# Altium PCB lora_gw_som_pcb.PcbDoc (part 2 of 3)
Units mm, origin at the board's own origin, x right, y up, seen from the top; angles counter-clockwise.
Board outline 30 x 50.95 mm, 6 copper layers (Top, GND-1, Signal-1, Signal-2, GND-2, Bottom), stack 0.926 mm thick; 205 components, 139 nets, 657 pads, 558 vias.
Unrouted connection lines stored in the file: 164.
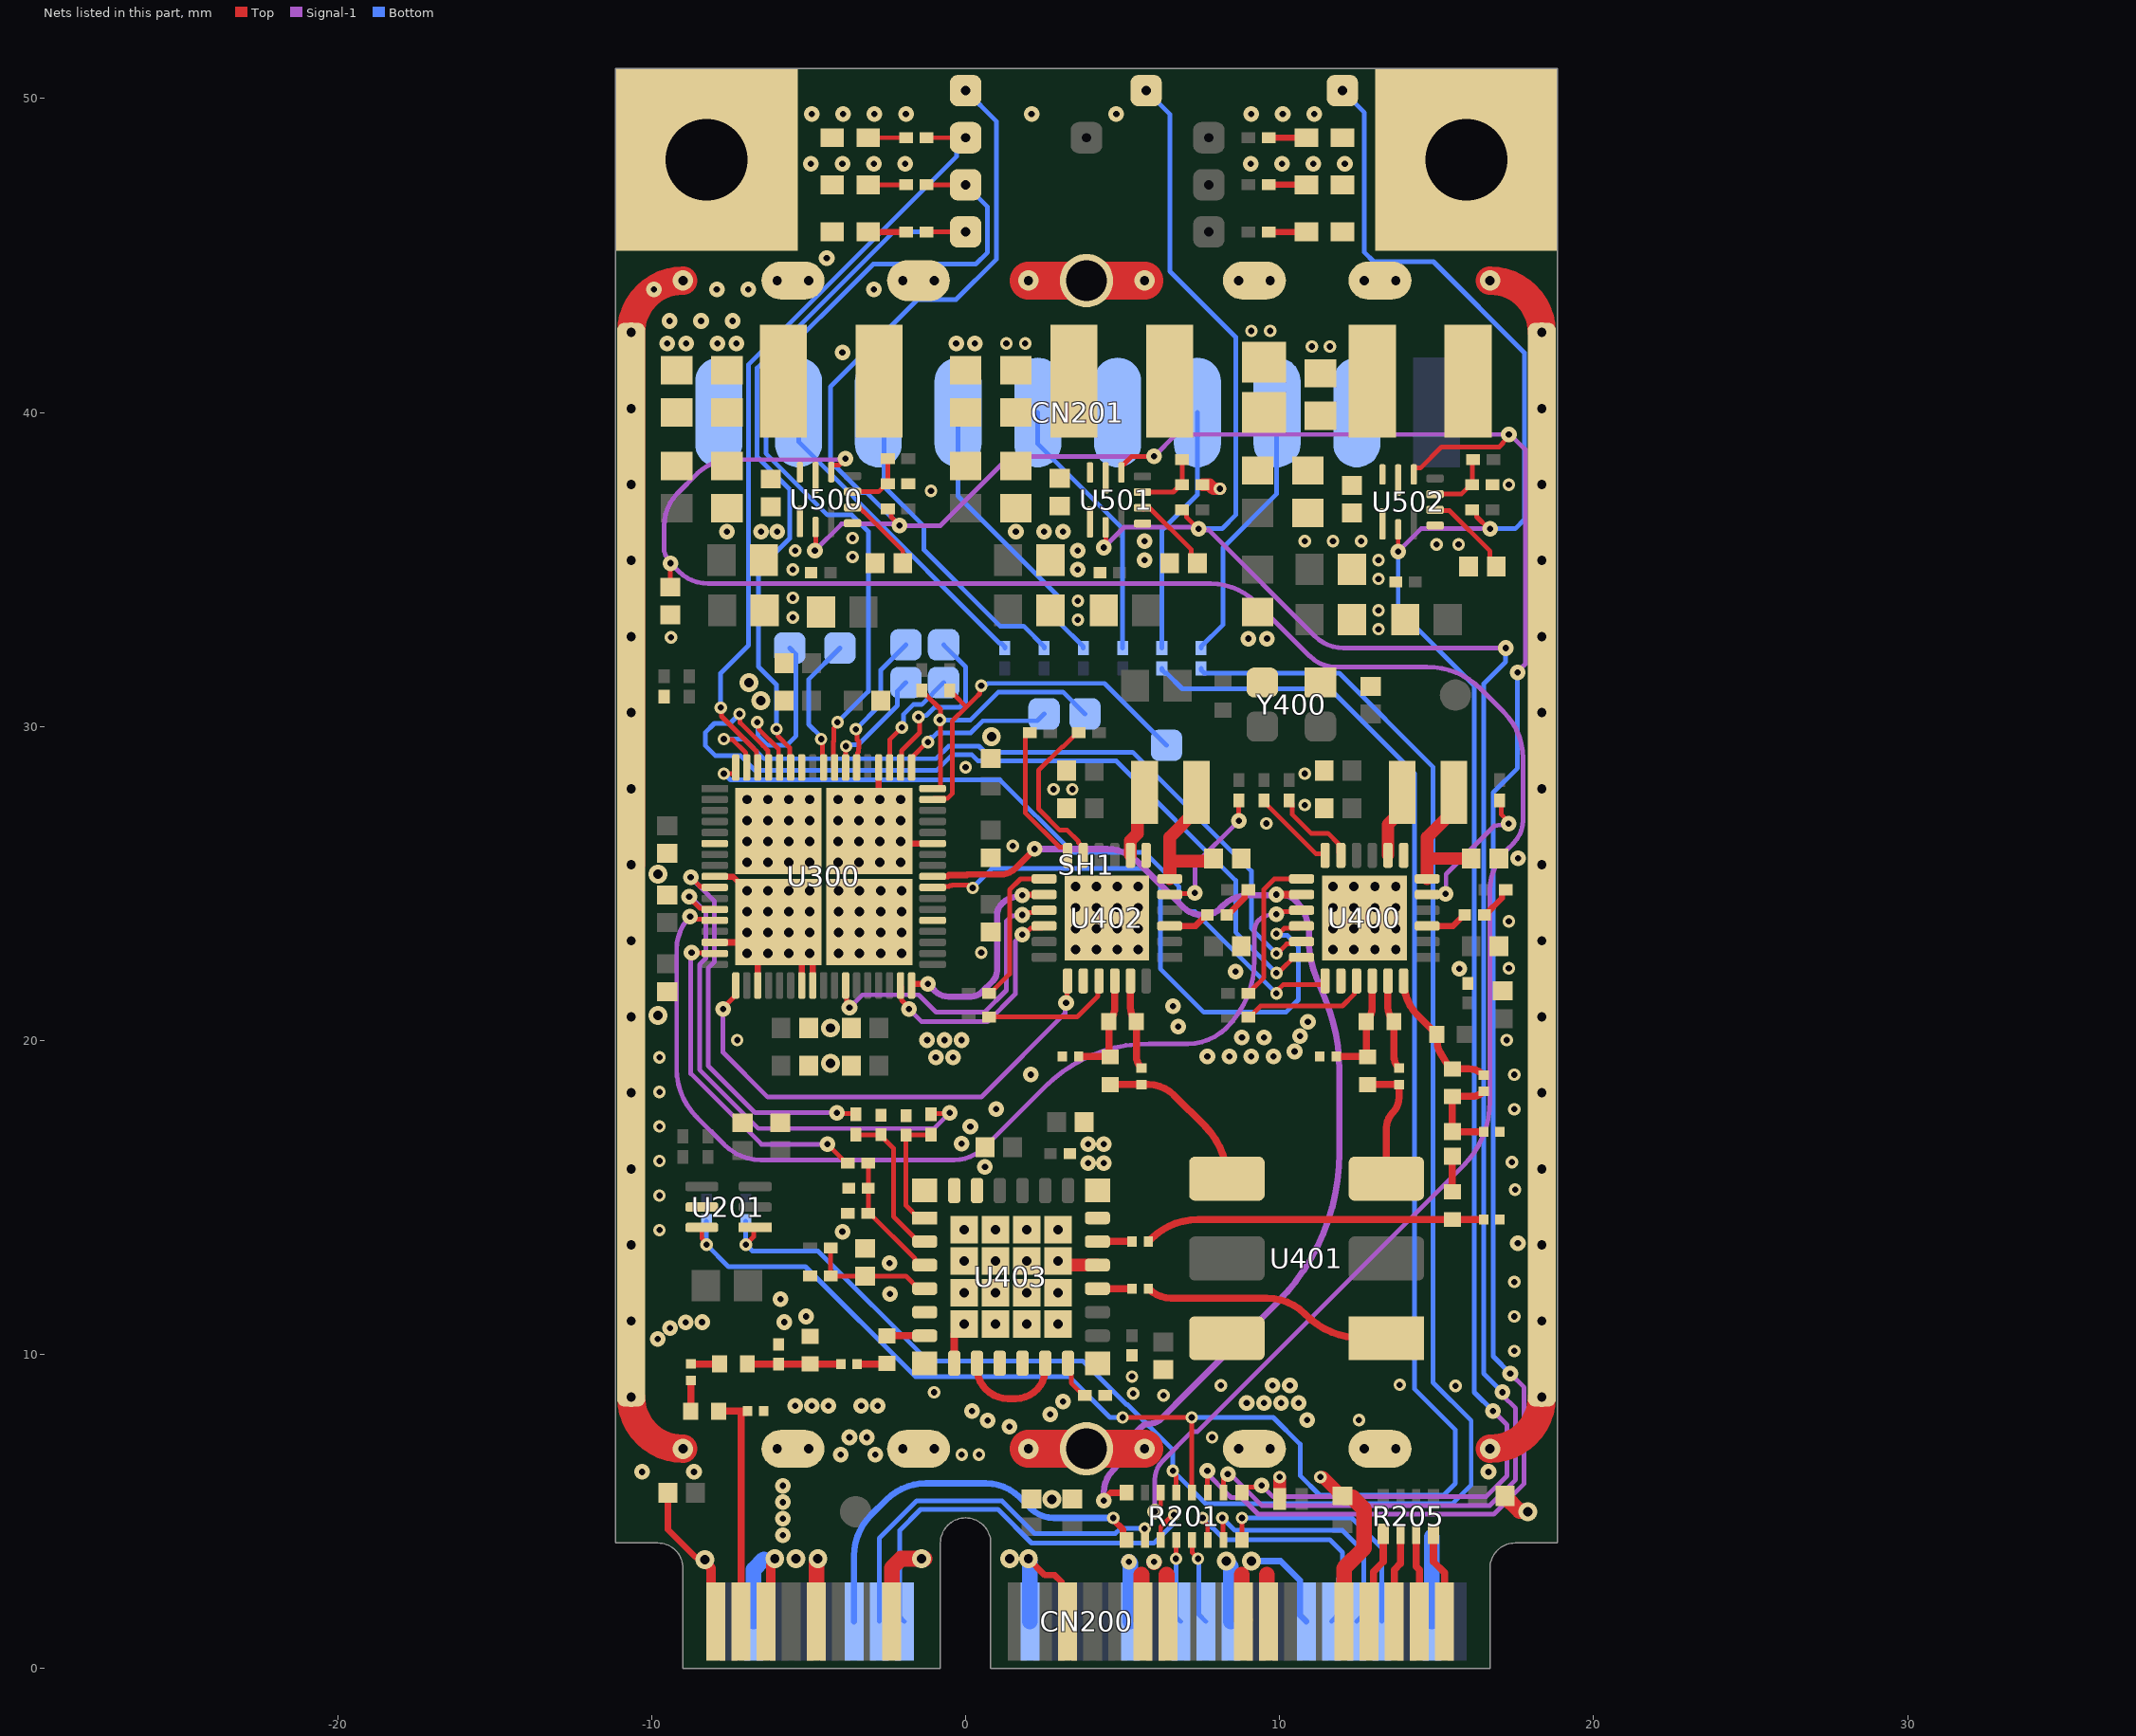
[diagram p6: the nets of this part, all layers, seen from the top]

## Part data (continued)
L404 L408: library part VLS252010CX-150M-1, "FIXED IND 15UH 560MA 914MOHM SMD", Current - Saturation=560mA, Current Rating (Amps)="560 mA", DC Resistance (DCR)="914mOhm Max", Device Package=Nonstandard, Inductance Frequency - Test="1 MHz", manufacturer="TDK Corporation", Operating Temperature="-40°C ~ 105°C", Supplier Device Package=2520, Supplier Part Number 1=445-172968-1-ND, Tolerance=±20%, ComponentLink1Description=Datasheet, ComponentLink1URL=https://product.tdk.com/info/en/catalog/datasheets/inductor_commercial_power_vls252010cx-1_en.pdf?ref_disty=digikey, componentlink2description="DigiKey Link", componentlink2url=https://www.digikey.com/en/products/detail/tdk-corporation/VLS252010CX-150M-1/5169773, Height - Seated (Max)="0.039\" (1.00mm)", Inductance="15 µH", lastupdated="03/06/2024 20:17:12", Lifecycle Status=Active, Material - Core=Ferrite, Minimum Order=1, Mounting Type="Surface Mount", Package / Case=Nonstandard, packaging=TapeAndReel, Part Number=VLS252010CX-150M-1, Part Status=Active, partid=3352, price=0.14, series=VLS-CX-1, Shielding=Shielded, Size / Dimension="0.098\" L x 0.079\" W (2.50mm x 2.00mm)", Supplier 1=DigiKey, Type="Drum Core, Wirewound"
L405 L409: library part LQW15AN82NG00D, "FIXED IND 82NH 130MA 2.24OHM SMD", Current Rating (Amps)="130 mA", DC Resistance (DCR)="2.24Ohm Max", Device Package="0402 (1005 Metric)", Frequency - Self Resonant=2.3GHz, Inductance Frequency - Test="100 MHz", manufacturer="Murata Electronics", Operating Temperature="-55°C ~ 125°C", Q @ Freq="20 @ 150MHz", Supplier Part Number 1=490-6848-1-ND, Tolerance=±2%, ComponentLink1Description=Datasheet, ComponentLink1URL=https://search.murata.co.jp/Ceramy/image/img/P02/JELF243A-0050.pdf, componentlink2description="DigiKey Link", componentlink2url=https://www.digikey.com/en/products/detail/murata-electronics/LQW15AN82NG00D/2594960, Height - Seated (Max)="0.024\" (0.60mm)", Inductance="82 nH", lastupdated="03/06/2024 20:03:20", Lifecycle Status=Active, Material - Core=Non-Magnetic, Minimum Order=1, Mounting Type="Surface Mount", Package / Case="0402 (1005 Metric)", packaging=TapeAndReel, Part Number=LQW15AN82NG00D, Part Status=Active, partid=489, price=0.05, series=LQW15, Shielding=Unshielded, Size / Dimension="0.039\" L x 0.020\" W (1.00mm x 0.50mm)", Supplier 1=DigiKey, Type="Drum Core, Wirewound"
L410 L411: library part LQW15ANR10J00D, "FIXED IND 100NH 120MA 2.52OHM SM", Current Rating (Amps)="120 mA", DC Resistance (DCR)="2.52Ohm Max", Device Package="0402 (1005 Metric)", Frequency - Self Resonant=1.5GHz, Inductance Frequency - Test="100 MHz", manufacturer="Murata Electronics", Operating Temperature="-55°C ~ 125°C", Q @ Freq="20 @ 150MHz", Supplier Part Number 1=490-4090-1-ND, Tolerance=±5%, ComponentLink1Description=Datasheet, ComponentLink1URL=https://search.murata.co.jp/Ceramy/image/img/P02/JELF243A-0050.pdf, componentlink2description="DigiKey Link", componentlink2url=https://www.digikey.com/en/products/detail/murata-electronics/LQW15ANR10J00D/1016249, Height - Seated (Max)="0.024\" (0.60mm)", Inductance="100 nH", lastupdated="03/06/2024 20:03:22", Lifecycle Status=Active, Material - Core=Non-Magnetic, Minimum Order=1, Mounting Type="Surface Mount", Package / Case="0402 (1005 Metric)", packaging=TapeAndReel, Part Number=LQW15ANR10J00D, Part Status=Active, partid=282, price=0.04, series=LQW15, Shielding=Unshielded, Size / Dimension="0.039\" L x 0.020\" W (1.00mm x 0.50mm)", Supplier 1=DigiKey, Type="Drum Core, Wirewound"
L412: library part LQW15AN6N0B8ZD, "FIXED IND 6NH 1.6A 0.056OHM SMD", Current Rating (Amps)="1.6 A", DC Resistance (DCR)="56mOhm Max", Device Package="0402 (1005 Metric)", Frequency - Self Resonant=8GHz, Inductance Frequency - Test="100 MHz", manufacturer="Murata Electronics", Operating Temperature="-55°C ~ 125°C", Q @ Freq="32 @ 250MHz", Ratings=AEC-Q200, Supplier Part Number 1=490-15539-1-ND, Tolerance=±0.1nH, ComponentLink1Description=Datasheet, ComponentLink1URL=https://search.murata.co.jp/Ceramy/image/img/P02/JELF243A-9138.pdf, componentlink2description="DigiKey Link", componentlink2url=https://www.digikey.com/en/products/detail/murata-electronics/LQW15AN6N0B8ZD/6798964, Height - Seated (Max)="0.024\" (0.60mm)", Inductance="6 nH", lastupdated="03/06/2024 20:03:25", Lifecycle Status=Active, Material - Core=Non-Magnetic, Minimum Order=1, Mounting Type="Surface Mount", Package / Case="0402 (1005 Metric)", packaging=TapeAndReel, Part Number=LQW15AN6N0B8ZD, Part Status=Active, partid=40, price=0.07, series=LQW15, Shielding=Unshielded, Size / Dimension="0.039\" L x 0.024\" W (1.00mm x 0.60mm)", Supplier 1=DigiKey, Type="Drum Core, Wirewound"
L413: library part LQW15AN2N2D10D, "FIXED IND 2.2NH 1A 0.027OHM SMD", Current Rating (Amps)="1 A", DC Resistance (DCR)="27mOhm Max", Device Package="0402 (1005 Metric)", Frequency - Self Resonant=14GHz, Inductance Frequency - Test="100 MHz", manufacturer="Murata Electronics", Operating Temperature="-55°C ~ 125°C", Q @ Freq="25 @ 250MHz", Supplier Part Number 1=490-6795-1-ND, Tolerance=±0.5nH, ComponentLink1Description=Datasheet, ComponentLink1URL=https://search.murata.co.jp/Ceramy/image/img/P02/JELF243A-0051.pdf, componentlink2description="DigiKey Link", componentlink2url=https://www.digikey.com/en/products/detail/murata-electronics/LQW15AN2N2D10D/2594881, Height - Seated (Max)="0.024\" (0.60mm)", Inductance="2.2 nH", lastupdated="03/06/2024 20:03:23", Lifecycle Status=Active, Material - Core=Non-Magnetic, Minimum Order=1, Mounting Type="Surface Mount", Package / Case="0402 (1005 Metric)", packaging=TapeAndReel, Part Number=LQW15AN2N2D10D, Part Status=Active, partid=170, price=0.05, series=LQW15, Shielding=Unshielded, Size / Dimension="0.039\" L x 0.024\" W (1.00mm x 0.60mm)", Supplier 1=DigiKey, Type="Drum Core, Wirewound"
L500 L501 L502: library part SRN4018-2R2M, "FIXED IND 2.2UH 2.9A 44 MOHM SMD", Current - Saturation=3A, Current Rating (Amps)="2.9 A", DC Resistance (DCR)="44mOhm Max", Device Package=Nonstandard, Frequency - Self Resonant=60MHz, Inductance Frequency - Test="100 kHz", manufacturer="Bourns Inc.", Operating Temperature="-40°C ~ 125°C", Q @ Freq="9 @ 7.96MHz", Supplier Part Number 1=SRN4018-2R2MCT-ND, Tolerance=±20%, ComponentLink1Description=Datasheet, ComponentLink1URL=https://www.bourns.com/docs/Product-Datasheets/SRN4018.pdf, componentlink2description="DigiKey Link", componentlink2url=https://www.digikey.com/en/products/detail/bourns-inc/SRN4018-2R2M/3821619, Height - Seated (Max)="0.071\" (1.80mm)", Inductance="2.2 µH", lastupdated="03/06/2024 20:24:37", Lifecycle Status=Active, Material - Core=Ferrite, Minimum Order=1, Mounting Type="Surface Mount", Package / Case=Nonstandard, packaging=TapeAndReel, Part Number=SRN4018-2R2M, Part Status=Active, partid=3660, price=0.17, series=SRN4018, Shielding=Shielded, Size / Dimension="0.157\" L x 0.157\" W (4.00mm x 4.00mm)", Supplier 1=DigiKey, Type="Drum Core, Wirewound"
LOG1 LOG2 LOG3 LOG4 LOG5: library part Logo
MH1 MH2: library part "MH M2.5 Mounting hole", "Mounting Hole M2.5 for mPCIe"
R200 R210 R211 R212 R213 R214 R301 R302 R303 R304 R305 R306 R308 R309 R310 R311 R402 R405: library part AC0201JR-070RL, "RES SMD 0 OHM JUMPER 1/20W 0201", Device Package="0201 (0603 Metric)", manufacturer=Yageo, Operating Temperature="-55°C ~ 155°C", Power (Watts)="0.05W, 1/20W", Ratings=AEC-Q200, Supplier Device Package=0201, Supplier Part Number 1=YAG3427CT-ND, Tolerance=Jumper, ComponentLink1Description=Datasheet, ComponentLink1URL=https://www.yageo.com/upload/media/product/productsearch/datasheet/rchip/PYu-AC_51_RoHS_L_7.pdf, componentlink2description="DigiKey Link", componentlink2url=https://www.digikey.com/en/products/detail/yageo/AC0201JR-070RL/5894880, Composition="Thick Film", Features="Automotive AEC-Q200, Moisture Resistant", Height - Seated (Max)="0.010\" (0.26mm)", lastupdated="04/06/2024 19:12:00", Lifecycle Status=Active, Minimum Order=1, Number of Terminations=2, Package / Case="0201 (0603 Metric)", packaging=CutTape, Part Number=AC0201JR-070RL, Part Status=Active, partid=818, price=0.01, Resistance="0 Ohms", series=AC, Size / Dimension="0.024\" L x 0.012\" W (0.60mm x 0.30mm)", Supplier 1=DigiKey
R201: "RES ARRAY 8 RES 100 OHM 1506", manufacturer="Panasonic Electronic Components", Number of Resistors=8, Operating Temperature="-55°C ~ 125°C", Package / Case="1506, Convex, Long Side Terminals", Power Per Element=62.5mW, Resistance (Ohms)=100, Supplier Device Package=1506, Supplier Part Number 1=Y1101CT-ND, Temperature Coefficient=±200ppm/°C, Tolerance=±5%, Applications="Automotive AEC-Q200", Circuit Type=Isolated, ComponentLink1Description=Datasheet, ComponentLink1URL=https://industrial.panasonic.com/cdbs/www-data/pdf/AOC0000/AOC0000C14.pdf, componentlink2description="DigiKey Link", componentlink2url=https://www.digikey.com/en/products/detail/panasonic-electronic-components/EXB-2HV101JV/285307, Height - Seated (Max)="0.022\" (0.55mm)", lastupdated="03/06/2024 20:06:00", Lifecycle Status=Active, Minimum Order=1, Mounting Type="Surface Mount", Number of Pins=16, packaging=TapeAndReel, Part Number=EXB-2HV101JV, Part Status=Active, partid=664, price=0.03, series=EXB, Size / Dimension="0.150\" L x 0.063\" W (3.80mm x 1.60mm)", Supplier 1=DigiKey
R202 R314 R315 R316: library part RC0201JR-07680RL, "RES 680 OHM 5% 1/20W 0201", Device Package="0201 (0603 Metric)", manufacturer=Yageo, Operating Temperature="-55°C ~ 125°C", Power (Watts)="0.05W, 1/20W", Supplier Device Package=0201, Supplier Part Number 1=311-680NCT-ND, Temperature Coefficient=±200ppm/°C, Tolerance=±5%, ComponentLink1Description=Datasheet, ComponentLink1URL=https://www.yageo.com/upload/media/product/productsearch/datasheet/rchip/PYu-RC_Group_51_RoHS_L_10.pdf, componentlink2description="DigiKey Link", componentlink2url=https://www.digikey.com/en/products/detail/yageo/RC0201JR-07680RL/1948962, Composition="Thick Film", Features="Moisture Resistant", Height - Seated (Max)="0.010\" (0.26mm)", lastupdated="04/06/2024 19:12:00", Lifecycle Status=Active, Minimum Order=1, Number of Terminations=2, Package / Case="0201 (0603 Metric)", packaging=CutTape, Part Number=RC0201JR-07680RL, Part Status=Active, partid=715, price=0.01, Resistance="680 Ohms", series=RC_L, Size / Dimension="0.024\" L x 0.012\" W (0.60mm x 0.30mm)", Supplier 1=DigiKey
R203: library part RC0201JR-07750RL, "RES 750 OHM 5% 1/20W 0201", Device Package="0201 (0603 Metric)", manufacturer=Yageo, Operating Temperature="-55°C ~ 125°C", Power (Watts)="0.05W, 1/20W", Supplier Device Package=0201, Supplier Part Number 1=YAG2927CT-ND, Temperature Coefficient=±200ppm/°C, Tolerance=±5%, ComponentLink1Description=Datasheet, ComponentLink1URL=https://www.yageo.com/upload/media/product/productsearch/datasheet/rchip/PYu-RC_Group_51_RoHS_L_10.pdf, componentlink2description="DigiKey Link", componentlink2url=https://www.digikey.com/en/products/detail/yageo/RC0201JR-07750RL/5280787, Composition="Thick Film", Features="Moisture Resistant", Height - Seated (Max)="0.010\" (0.26mm)", lastupdated="04/06/2024 19:11:57", Lifecycle Status=Active, Minimum Order=1, Number of Terminations=2, Package / Case="0201 (0603 Metric)", packaging=CutTape, Part Number=RC0201JR-07750RL, Part Status=Active, partid=1858, price=0.01, Resistance="750 Ohms", series=RC_L, Size / Dimension="0.024\" L x 0.012\" W (0.60mm x 0.30mm)", Supplier 1=DigiKey
R204: library part CRCW02011K50JNED, "RES SMD 1.5K OHM 5% 1/20W 0201", Device Package="0201 (0603 Metric)", manufacturer="Vishay Dale", Operating Temperature="-55°C ~ 155°C", Power (Watts)="0.05W, 1/20W", Supplier Device Package=0201, Supplier Part Number 1=541-CRCW02011K50JNEDCT-ND, Temperature Coefficient=±200ppm/°C, Tolerance=±5%, ComponentLink1Description=Datasheet, ComponentLink1URL=http://www.vishay.com/docs/20052/crcw0201e3.pdf, componentlink2description="DigiKey Link", componentlink2url=http://digikey.com/product-detail/en/vishay-dale/CRCW02011K50JNED/541-CRCW02011K50JNEDCT-ND/10449419, Composition="Thick Film", Height - Seated (Max)="0.011\" (0.28mm)", lastupdated="04/06/2024 19:12:01", Lifecycle Status=Active, Minimum Order=1, Number of Terminations=2, Package / Case="0201 (0603 Metric)", packaging=CutTape, Part Number=CRCW02011K50JNED, Part Status=Active, partid=491, price=0.10, Resistance="1.5 kOhms", series=CRCW, Size / Dimension="0.024\" L x 0.012\" W (0.60mm x 0.30mm)", Supplier 1=DigiKey
R205: library part "Resistor Array (4 circuit)", "RES ARRAY 4 RES 100 OHM 0804", manufacturer="Panasonic Electronic Components", Number of Resistors=4, Operating Temperature="-55°C ~ 125°C", Package / Case="0804, Convex, Long Side Terminals", Power Per Element=62.5mW, Resistance (Ohms)=100, Supplier Device Package=0804, Supplier Part Number 1=Y7101CT-ND, Temperature Coefficient=±200ppm/°C, Tolerance=±5%, Applications="Automotive AEC-Q200", Circuit Type=Isolated, ComponentLink1Description=Datasheet, ComponentLink1URL=https://industrial.panasonic.com/cdbs/www-data/pdf/AOC0000/AOC0000C14.pdf, componentlink2description="DigiKey Link", componentlink2url=https://www.digikey.com/en/products/detail/panasonic-electronic-components/EXB-28V101JX/256275, Height - Seated (Max)="0.018\" (0.45mm)", lastupdated="03/06/2024 20:05:56", Lifecycle Status=Active, Minimum Order=1, Mounting Type="Surface Mount", Number of Pins=8, packaging=TapeAndReel, Part Number=EXB-28V101JX, Part Status=Active, partid=463, price=0.01, series=EXB, Size / Dimension="0.079\" L x 0.039\" W (2.00mm x 1.00mm)", Supplier 1=DigiKey
R206 R207 R312 R313: library part AC0201FR-074K7L, "RES SMD 4.7K OHM 1% 1/20W 0201", Device Package="0201 (0603 Metric)", manufacturer=Yageo, Operating Temperature="-55°C ~ 155°C", Power (Watts)="0.05W, 1/20W", Ratings=AEC-Q200, Supplier Device Package=0201, Supplier Part Number 1=YAG3426CT-ND, Temperature Coefficient=±200ppm/°C, Tolerance=±1%, ComponentLink1Description=Datasheet, ComponentLink1URL=https://www.yageo.com/upload/media/product/productsearch/datasheet/rchip/PYu-AC_51_RoHS_L_7.pdf, componentlink2description="DigiKey Link", componentlink2url=https://www.digikey.com/en/products/detail/yageo/AC0201FR-074K7L/5894686, Composition="Thick Film", Features="Automotive AEC-Q200, Moisture Resistant", Height - Seated (Max)="0.010\" (0.26mm)", lastupdated="04/06/2024 19:11:59", Lifecycle Status=Active, Minimum Order=1, Number of Terminations=2, Package / Case="0201 (0603 Metric)", packaging=CutTape, Part Number=AC0201FR-074K7L, Part Status=Active, partid=978, price=0.01, Resistance="4.7 kOhms", series=AC, Size / Dimension="0.024\" L x 0.012\" W (0.60mm x 0.30mm)", Supplier 1=DigiKey
R208: library part AC0201FR-0747KL, "RES SMD 47K OHM 1% 1/20W 0201", Device Package="0201 (0603 Metric)", manufacturer=Yageo, Operating Temperature="-55°C ~ 155°C", Power (Watts)="0.05W, 1/20W", Ratings=AEC-Q200, Supplier Device Package=0201, Supplier Part Number 1=YAG3425CT-ND, Temperature Coefficient=±200ppm/°C, Tolerance=±1%, ComponentLink1Description=Datasheet, ComponentLink1URL=https://www.yageo.com/upload/media/product/productsearch/datasheet/rchip/PYu-AC_51_RoHS_L_7.pdf, componentlink2description="DigiKey Link", componentlink2url=https://www.digikey.com/en/products/detail/yageo/AC0201FR-0747KL/5894664, Composition="Thick Film", Features="Automotive AEC-Q200, Moisture Resistant", Height - Seated (Max)="0.010\" (0.26mm)", lastupdated="04/06/2024 19:11:58", Lifecycle Status=Active, Minimum Order=1, Number of Terminations=2, Package / Case="0201 (0603 Metric)", packaging=TapeAndReel, Part Number=AC0201FR-0747KL, Part Status=Active, partid=1633, price=0.01, Resistance="47 kOhms", series=AC, Size / Dimension="0.024\" L x 0.012\" W (0.60mm x 0.30mm)", Supplier 1=DigiKey
R209: library part CRCW020133K0FKED, "RES SMD 33K OHM 1% 1/20W 0201", Device Package="0201 (0603 Metric)", manufacturer="Vishay Dale", Operating Temperature="-55°C ~ 155°C", Power (Watts)="0.05W, 1/20W", Supplier Device Package=201, Supplier Part Number 1=541-33.0KAABCT-ND, Temperature Coefficient=±100ppm/°C, Tolerance=±1%, ComponentLink1Description=Datasheet, ComponentLink1URL=http://www.vishay.com/docs/20052/crcw0201e3.pdf, componentlink2description="DigiKey Link", componentlink2url=https://www.digikey.com/en/products/detail/vishay-dale/CRCW020133K0FKED/1968120, Composition="Thick Film", Height - Seated (Max)="0.010\" (0.26mm)", lastupdated="04/06/2024 19:12:00", Lifecycle Status=Active, Minimum Order=1, Number of Terminations=2, Package / Case="0201 (0603 Metric)", packaging=TapeAndReel, Part Number=CRCW020133K0FKED, Part Status=Active, partid=866, price=0.02, Resistance="33 kOhms", series="CRCW0201 e3", Size / Dimension="0.024\" L x 0.012\" W (0.60mm x 0.30mm)", Supplier 1=DigiKey
R300 R307: library part AF0201FR-0710KL, "RES SMD 10K OHM 1% 1/20W 0201", Device Package="0201 (0603 Metric)", manufacturer=Yageo, Operating Temperature="-55°C ~ 125°C", Power (Watts)="0.05W, 1/20W", Ratings=AEC-Q200, Supplier Device Package=0201, Supplier Part Number 1=13-AF0201FR-0710KLCT-ND, Temperature Coefficient=±200ppm/°C, Tolerance=±1%, ComponentLink1Description=Datasheet, ComponentLink1URL=https://www.yageo.com/upload/media/product/productsearch/datasheet/rchip/PYu-AF_51_RoHS_L_9.pdf, componentlink2description="DigiKey Link", componentlink2url=https://www.digikey.com/en/products/detail/yageo/AF0201FR-0710KL/5900138, Composition="Thick Film", Features="Anti-Sulfur, Automotive AEC-Q200", Height - Seated (Max)="0.010\" (0.26mm)", lastupdated="04/06/2024 19:11:47", Lifecycle Status=Active, Minimum Order=1, Number of Terminations=2, Package / Case="0201 (0603 Metric)", packaging=TapeAndReel, Part Number=AF0201FR-0710KL, Part Status=Active, partid=78061, price=0.01, Resistance="10 kOhms", series=AF, Size / Dimension="0.024\" L x 0.012\" W (0.60mm x 0.30mm)", Supplier 1=DigiKey
R400 R401: library part RC0201FR-07220RL, "RES 220 OHM 1% 1/20W 0201", Device Package="0201 (0603 Metric)", manufacturer=Yageo, Operating Temperature="-55°C ~ 125°C", Power (Watts)="0.05W, 1/20W", Supplier Device Package=0201, Supplier Part Number 1=YAG2509CT-ND, Temperature Coefficient=±200ppm/°C, Tolerance=±1%, ComponentLink1Description=Datasheet, ComponentLink1URL=https://www.yageo.com/upload/media/product/productsearch/datasheet/rchip/PYu-RC_Group_51_RoHS_L_10.pdf, componentlink2description="DigiKey Link", componentlink2url=https://www.digikey.com/en/products/detail/yageo/RC0201FR-07220RL/5280369, Composition="Thick Film", Features="Moisture Resistant", Height - Seated (Max)="0.010\" (0.26mm)", lastupdated="04/06/2024 19:12:00", Lifecycle Status=Active, Minimum Order=1, Number of Terminations=2, Package / Case="0201 (0603 Metric)", packaging=TapeAndReel, Part Number=RC0201FR-07220RL, Part Status=Active, partid=816, price=0.01, Resistance="220 Ohms", series=RC_L, Size / Dimension="0.024\" L x 0.012\" W (0.60mm x 0.30mm)", Supplier 1=DigiKey
R403 R407 R408: library part RC0201FR-071KL, "RES 1K OHM 1% 1/20W 0201", Device Package="0201 (0603 Metric)", manufacturer=Yageo, Operating Temperature="-55°C ~ 125°C", Power (Watts)="0.05W, 1/20W", Supplier Device Package=0201, Supplier Part Number 1=311-1KMCT-ND, Temperature Coefficient=±200ppm/°C, Tolerance=±1%, ComponentLink1Description=Datasheet, ComponentLink1URL=https://www.yageo.com/upload/media/product/productsearch/datasheet/rchip/PYu-RC_Group_51_RoHS_L_10.pdf, componentlink2description="DigiKey Link", componentlink2url=https://www.digikey.com/en/products/detail/yageo/RC0201FR-071KL/3202389, Composition="Thick Film", Features="Moisture Resistant", Height - Seated (Max)="0.010\" (0.26mm)", lastupdated="04/06/2024 19:11:56", Lifecycle Status=Active, Minimum Order=1, Number of Terminations=2, Package / Case="0201 (0603 Metric)", packaging=TapeAndReel, Part Number=RC0201FR-071KL, Part Status=Active, partid=2286, price=0.01, Resistance="1 kOhms", series=RC_L, Size / Dimension="0.024\" L x 0.012\" W (0.60mm x 0.30mm)", Supplier 1=DigiKey
R404: library part ERJ-1GNF5101C, "RES SMD 5.1K OHM 1% 1/20W 0201", Device Package="0201 (0603 Metric)", manufacturer="Panasonic Electronic Components", Operating Temperature="-55°C ~ 125°C", Power (Watts)="0.05W, 1/20W", Ratings=AEC-Q200, Supplier Device Package=0201, Supplier Part Number 1=P123051CT-ND, Temperature Coefficient=±200ppm/°C, Tolerance=±1%, ComponentLink1Description=Datasheet, ComponentLink1URL=https://industrial.panasonic.com/cdbs/www-data/pdf/RDA0000/AOA0000C304.pdf, componentlink2description="DigiKey Link", componentlink2url=https://www.digikey.com/en/products/detail/panasonic-electronic-components/ERJ-1GNF5101C/2036192, Composition="Thick Film", Features="Automotive AEC-Q200", Height - Seated (Max)="0.010\" (0.26mm)", lastupdated="04/06/2024 19:11:52", Lifecycle Status=Active, Minimum Order=1, Number of Terminations=2, Package / Case="0201 (0603 Metric)", packaging=TapeAndReel, Part Number=ERJ-1GNF5101C, Part Status=Active, partid=4177, price=0.01, Resistance="5.1 kOhms", series=ERJ-1GN, Size / Dimension="0.024\" L x 0.012\" W (0.60mm x 0.30mm)", Supplier 1=DigiKey
R406: library part ERJ-1GJF3301C, "RES SMD 3.3K OHM 1% 1/20W 0201", Device Package="0201 (0603 Metric)", manufacturer="Panasonic Electronic Components", Operating Temperature="-55°C ~ 125°C", Power (Watts)="0.05W, 1/20W", Ratings=AEC-Q200, Supplier Device Package=0201, Supplier Part Number 1=10-ERJ-1GJF3301CCT-ND, Temperature Coefficient=±200ppm/°C, Tolerance=±1%, ComponentLink1Description=Datasheet, ComponentLink1URL=https://api.pim.na.industrial.panasonic.com/file_stream/main/fileversion/1263, componentlink2description="DigiKey Link", componentlink2url=https://www.digikey.com/en/products/detail/panasonic-electronic-components/ERJ-1GJF3301C/19101344, Composition="Thick Film", Features="Automotive AEC-Q200", Height - Seated (Max)="0.010\" (0.26mm)", lastupdated="04/06/2024 19:11:47", Lifecycle Status=Active, Minimum Order=1, Number of Terminations=2, Package / Case="0201 (0603 Metric)", packaging=TapeAndReel, Part Number=ERJ-1GJF3301C, partid=80200, price=0.02, Resistance="3.3 kOhms", series=ERJ-1GJ, Size / Dimension="0.024\" L x 0.012\" W (0.60mm x 0.30mm)", Supplier 1=DigiKey
R500 R504 R507: library part RC0201FR-13100KL, "RES 100K OHM 1% 1/20W 0201", Device Package="0201 (0603 Metric)", manufacturer=Yageo, Operating Temperature="-55°C ~ 125°C", Power (Watts)="0.05W, 1/20W", Supplier Device Package=0201, Supplier Part Number 1=13-RC0201FR-13100KLCT-ND, Temperature Coefficient=±200ppm/°C, Tolerance=±1%, ComponentLink1Description=Datasheet, ComponentLink1URL=https://www.yageo.com/upload/media/product/productsearch/datasheet/rchip/PYu-RC_Group_51_RoHS_L_12.pdf, componentlink2description="DigiKey Link", componentlink2url=https://www.digikey.com/en/products/detail/yageo/RC0201FR-13100KL/17014509, Composition="Thick Film", Features="Moisture Resistant", Height - Seated (Max)="0.010\" (0.26mm)", lastupdated="04/06/2024 19:11:47", Lifecycle Status=Active, Minimum Order=1, Number of Terminations=2, Package / Case="0201 (0603 Metric)", packaging=CutTape, Part Number=RC0201FR-13100KL, partid=80199, price=0.01, Resistance="100 kOhms", series=RC_L, Size / Dimension="0.024\" L x 0.012\" W (0.60mm x 0.30mm)", Supplier 1=DigiKey
R501: library part AC0201FR-072K49L, "RES SMD 2.49K OHM 1% 1/20W 0201", Device Package="0201 (0603 Metric)", manufacturer=Yageo, Operating Temperature="-55°C ~ 155°C", Power (Watts)="0.05W, 1/20W", Ratings=AEC-Q200, Supplier Device Package=0201, Supplier Part Number 1=YAG5189CT-ND, Temperature Coefficient=±200ppm/°C, Tolerance=±1%, ComponentLink1Description=Datasheet, ComponentLink1URL=https://www.yageo.com/upload/media/product/productsearch/datasheet/rchip/PYu-AC_51_RoHS_L_7.pdf, componentlink2description="DigiKey Link", componentlink2url=https://www.digikey.com/en/products/detail/yageo/AC0201FR-072K49L/5894499, Composition="Thick Film", Features="Automotive AEC-Q200, Moisture Resistant", Height - Seated (Max)="0.010\" (0.26mm)", lastupdated="04/06/2024 19:11:59", Lifecycle Status=Active, Minimum Order=1, Number of Terminations=2, Package / Case="0201 (0603 Metric)", packaging=TapeAndReel, Part Number=AC0201FR-072K49L, Part Status=Active, partid=986, price=0.01, Resistance="2.49 kOhms", series=AC, Size / Dimension="0.024\" L x 0.012\" W (0.60mm x 0.30mm)", Supplier 1=DigiKey
R502 R506 R509: library part RC0201FR-074K87L, "RES 4.87K OHM 1% 1/20W 0201", Device Package="0201 (0603 Metric)", manufacturer=Yageo, Operating Temperature="-55°C ~ 125°C", Power (Watts)="0.05W, 1/20W", Supplier Device Package=0201, Supplier Part Number 1=YAG2711CT-ND, Temperature Coefficient=±200ppm/°C, Tolerance=±1%, ComponentLink1Description=Datasheet, ComponentLink1URL=https://www.yageo.com/upload/media/product/productsearch/datasheet/rchip/PYu-RC_Group_51_RoHS_L_10.pdf, componentlink2description="DigiKey Link", componentlink2url=https://www.digikey.com/en/products/detail/yageo/RC0201FR-074K87L/5280571, Composition="Thick Film", Features="Moisture Resistant", Height - Seated (Max)="0.010\" (0.26mm)", lastupdated="04/06/2024 19:11:58", Lifecycle Status=Active, Minimum Order=1, Number of Terminations=2, Package / Case="0201 (0603 Metric)", packaging=TapeAndReel, Part Number=RC0201FR-074K87L, Part Status=Active, partid=1350, price=0.01, Resistance="4.87 kOhms", series=RC_L, Size / Dimension="0.024\" L x 0.012\" W (0.60mm x 0.30mm)", Supplier 1=DigiKey
R505: library part RC0201FR-0715K4L, "RES 15.4K OHM 1% 1/20W 0201", Device Package="0201 (0603 Metric)", manufacturer=Yageo, Operating Temperature="-55°C ~ 125°C", Power (Watts)="0.05W, 1/20W", Supplier Device Package=0201, Supplier Part Number 1=YAG2421CT-ND, Temperature Coefficient=±200ppm/°C, Tolerance=±1%, ComponentLink1Description=Datasheet, ComponentLink1URL=https://www.yageo.com/upload/media/product/productsearch/datasheet/rchip/PYu-RC_Group_51_RoHS_L_10.pdf, componentlink2description="DigiKey Link", componentlink2url=https://www.digikey.com/en/products/detail/yageo/RC0201FR-0715K4L/5280281, Composition="Thick Film", Features="Moisture Resistant", Height - Seated (Max)="0.010\" (0.26mm)", lastupdated="04/06/2024 19:12:00", Lifecycle Status=Active, Minimum Order=1, Number of Terminations=2, Package / Case="0201 (0603 Metric)", packaging=TapeAndReel, Part Number=RC0201FR-0715K4L, Part Status=Active, partid=714, price=0.01, Resistance="15.4 kOhms", series=RC_L, Size / Dimension="0.024\" L x 0.012\" W (0.60mm x 0.30mm)", Supplier 1=DigiKey
R508: library part RC0201FR-0719K1L, "RES 19.1K OHM 1% 1/20W 0201", Device Package="0201 (0603 Metric)", manufacturer=Yageo, Operating Temperature="-55°C ~ 125°C", Power (Watts)="0.05W, 1/20W", Supplier Device Package=0201, Supplier Part Number 1=YAG2464CT-ND, Temperature Coefficient=±200ppm/°C, Tolerance=±1%, ComponentLink1Description=Datasheet, ComponentLink1URL=https://www.yageo.com/upload/media/product/productsearch/datasheet/rchip/PYu-RC_Group_51_RoHS_L_10.pdf, componentlink2description="DigiKey Link", componentlink2url=https://www.digikey.com/en/products/detail/yageo/RC0201FR-0719K1L/5280324, Composition="Thick Film", Features="Moisture Resistant", Height - Seated (Max)="0.010\" (0.26mm)", lastupdated="04/06/2024 19:11:59", Lifecycle Status=Active, Minimum Order=1, Number of Terminations=2, Package / Case="0201 (0603 Metric)", packaging=TapeAndReel, Part Number=RC0201FR-0719K1L, Part Status=Active, partid=1027, price=0.01, Resistance="19.1 kOhms", series=RC_L, Size / Dimension="0.024\" L x 0.012\" W (0.60mm x 0.30mm)", Supplier 1=DigiKey
SH1: library part "Masach shield MS375-10F"
TP1 TP3 TP5 TP6 TP7 TP8 TP9 TP10 TP11: library part TestPoint-PAD, "Test point, pad"
U201: "2.25 V low-voltage local digital temperature sensor"
U300: "Baseband LoRa chip for gateways", ComponentLink1Description=Mouser, ComponentLink1URL=https://www.mouser.es/ProductDetail/Semtech/SX1302IMLTRT?qs=bZr6mbWTK5nALa%252B96PTK0Q%3D%3D
U400 U402: "Sub-GHz RF Front End device. Supports up to +22 dBm output power on-chip"
U401: "Power Splitter/Combiner, 2 Way, 0°, 50Ω, 350 to 550 MHz"
U403: "400 MHz Transmit/Receive Front-End Module"
U500 U501 U502: "3-V to 17-V, 2-A/3-A Low Noise and Low Ripple Buck Converter with Integrated Ferrite Bead Filter Compensation"
Y400: Frequency="32 MHz", Load Capacitance=10pF, Tolerance=±0.5ppm, Part Number=FT2MNTUM-32.0-T1

## Via types
v1: diameter 0.4/0.5/0.5/0.4 (per signal layer), hole 0.2, Top to Bottom, 353 vias
v2: diameter 0.65, hole 0.3, Top to Bottom, 150 vias
v3: diameter 0.6/0.6/0.6/0.6 (per signal layer), hole 0.3, Top to Bottom, 39 vias
v4: diameter 0.7, hole 0.3, Top to Bottom, 16 vias

## Nets (pads, with @x,y where several pads share a name; then routed paths per layer and width w, separated by ;. In a path a pad name is that pad's centre, name@x,y a point inside that pad or via, vN(x,y) a via of type N, cw(c..) or ccw(c..) an arc to the next point about the centre after c; other vN are vias at no path point)
DC1V2.EN: C514.2 R201.14 U500.1 | length 68.8
  Top w0.15: C514.2@-9.4,34.44 v1(-9.4,35.2) ; U500.1@-4.275,38.1 -4.275,38.325 -4.029,38.325 v1(-3.825,38.529) ; v1(6.025,5) 6.025,5.016 6.212,5.203 R201.14@6.212,5.6
  Signal-1 w0.15: -9.6,36.381 -9.6,35.734 -9.6,35.657 ccw(c-9.131,35.657) -9.463,35.326 -9.4,35.263 v1(-9.4,35.2) -9.143,34.943 ccw(c-8.191,35.899) -8.191,34.55 ; -9.6,36.382 cw(c-8.107,36.382) -9.162,37.438 -8.55,38.05 cw(c-7.464,36.966) -7.464,38.5 -3.854,38.5 v1(-3.825,38.529) ; -8.19,34.55 -1.414,34.55 7.801,34.55 cw(c7.801,32.5) 9.251,33.949 10.962,32.238 10.963,32.237 ccw(c11.777,33.052) 11.777,31.9 ; v1(6.025,5) 6.025,6.013 ; 6.025,6.014 cw(c6.865,6.014) 6.271,6.608 7.214,7.55 7.386,7.55 15.844,16.007 ccw(c13.778,18.074) 16.7,18.074 16.7,24.782 ; 11.778,31.9 14.693,31.9 14.695,31.9 cw(c14.695,29.473) 16.411,31.189 ; 16.412,31.188 17.137,30.463 17.139,30.461 cw(c15.662,28.985) 17.75,28.985 17.75,27.023 cw(c16.695,27.023) 17.441,26.277 17.233,26.07 ccw(c18.52,24.783) 16.7,24.783
DC1V2.FB: R501.1 R502.2 U500.9 | length 2
  Top w0.15: U500.9@-3.6,37.475 -2.77,37.475 -2.52,37.725 R502.2@-2.475,37.725 R501.1@-2.475,38.525
DC1V2.SS: C513.2 U500.8 | length 2.7
  Top w0.15: U500.8@-3.6,36.975 -3.575,36.95 -3.355,36.95 -3.255,36.85 -3.251,36.85 -2,35.599 C513.2@-2,35.1
DC1V2.SW: L500.1 U500.2
DC1V2.VO: C503.2 C504.2 C505.2 C506.2 FB500.1 L500.2 U500.3
DC3V3.FB: R505.1 R506.2 U501.9 | length 2.2
  Top w0.15: U501.9@5.635,37.465 6.615,37.465 R506.2@6.85,37.7 ; R506.2@6.895,37.7 R505.1@6.895,38.5
  Top w0.3: R506.2@6.85,37.7 R506.2@6.895,37.7
DC3V3.SS: C522.2 U501.8 | length 2.6
  Top w0.15: U501.8@5.66,36.94 5.885,36.94 7.18,35.644 C522.2@7.18,35.1
  Top w0.2: U501.8@5.635,36.965 U501.8@5.66,36.94
DC3V3.SW: L501.1 U501.2
DC3V3.VO: C515.2 C516.2 C517.2 C518.2 FB501.1 L501.2 U501.3
DC3V9.FB: R508.1 R509.2 U502.9 | length 2.1
  Top w0.15: U502.9@14.95,37.4 15.785,37.4 R509.2@16.085,37.7 ; R509.2@16.142,37.713 R508.1@16.142,38.487
  Top w0.2: R509.2@16.085,37.7 R509.2@16.13,37.7 R509.2@16.142,37.713 ; R508.1@16.142,38.487 R508.1@16.155,38.5
DC3V9.SS: C531.2 U502.8 | length 2.9
  Top w0.15: U502.8@14.975,36.875 15.406,36.875 16.7,35.581 16.7,35.3 C531.2@16.9,35.1
  Top w0.2: U502.8@14.95,36.9 U502.8@14.975,36.875
DC3V9.SW: L502.1 U502.2
DC3V9.VO: C523.2 C524.2 C525.2 C526.2 FB502.1 L502.2 U502.3
DEBUG.MISO: CN201.7 R212.1 | length 9.2
  Bottom w0.15: CN201.7@-0.24,40 -0.24,37.34 3,34.1 3,33.295 3.75,32.545 R212.1@3.75,32.5
DEBUG.MOSI: CN201.8 R213.1 | length 10.1
  Bottom w0.15: CN201.8@-2.78,40 -2.6,39.82 -2.6,37.645 -1.325,36.37 -1.325,35.625 1.1,33.2 1.845,33.2 2.5,32.545 R213.1@2.5,32.5
DEBUG.NSS: CN201.9 R214.1 | length 10.3
  Bottom w0.15: CN201.9@-5.32,40 -5.32,39.07 -3.555,37.305 -3.555,37.289 1.089,32.645 1.15,32.645 1.25,32.545 R214.1@1.25,32.5
DEBUG.SCK: CN201.6 R211.1 | length 8.6
  Bottom w0.15: CN201.6@2.3,40 2.3,39 5,36.3 R211.1@5,32.5
DEBUG.SCL: CN201.3 R200.1 | length 8.5
  Bottom w0.15: R200.1@7.5,32.5 7.5,32.545 8.2,33.245 8.2,35.7 9.9,37.4 9.9,39.98 CN201.3@9.92,40
DEBUG.SDA: CN201.4 R210.1 | length 8
  Bottom w0.15: R210.1@6.25,32.5 6.25,36.25 7.38,37.38 CN201.4@7.38,40
FE_CTRL.BYPASS: R408.1 U300.16 | length 10.8
  Top w0.15: v1(-8.725,22.8) -8.713,22.788 -8.002,22.788 U300.16@-7.99,22.775 ; v1(-4.4,16.7) -4.395,16.7 -3.795,16.1 R408.1@-3.75,16.1
  Signal-1 w0.15: v1(-8.725,22.8) -8.75,22.775 -8.75,18.95 -6.5,16.7 v1(-4.4,16.7)
FE_CTRL.ENABLE: R407.1 U300.10 | length 12.6
  Top w0.15: v1(-8.754,25.2) -8.464,24.91 -8.025,24.91 U300.10@-7.99,24.875 ; v1(-4.1,17.7) -4.075,17.675 -3.525,17.675 R407.1@-3.5,17.65
  Signal-1 w0.15: v1(-8.754,25.2) -8.2,24.646 -8,24.446 -8,22.5 -8.2,22.3 -8.2,19.2 -6.7,17.7 v1(-4.1,17.7)
FE_CTRL.MODE: R403.1 U300.12 | length 16.4
  Top w0.15: v1(-8.8,24.577) -8.8,24.546 -8.464,24.21 -8.025,24.21 U300.12@-7.99,24.175 ; R403.1@-1.1,17.65 -1.075,17.675 -0.525,17.675 v1(-0.5,17.7)
  Signal-1 w0.15: v1(-8.8,24.577) -8.76,24.577 -8.275,24.092 -8.275,22.614 -8.475,22.414 -8.475,19.075 -6.6,17.2 -1,17.2 v1(-0.5,17.7)
GND: C201.1 C202.1 C203.1 C204.1 C205.1 C206.1 C207.1 C300.1 C302.1 C303.1 C304.1 C305.1 C306.1 C307.1 C308.1 C309.1 C310.1 C311.1 C312.1 C313.1 C404.1 C405.1 C406.1 C407.1 C410.1 C411.1 C412.1 C413.1 C414.1 C416.1 C417.1 C418.1 C419.1 C421.1 C422.1 C423.1 C424.1 C425.1 C429.1 C430.1 C432.1 C433.1 C434.1 C435.1 C436.1 C437.1 C500.1 C501.1 C502.1 C503.1 C504.1 C505.1 C506.1 C507.1 C508.1 C510.1 C511.1 C512.1 C513.1 C514.1 C515.1 C516.1 C517.1 C518.1 C519.1 C520.1 C522.1 C523.1 C524.1 C525.1 C526.1 C527.1 C528.1 C529.1 C531.1 CN200.1 CN200.4 CN200.5 CN200.9 CN200.15 CN200.18 CN200.21 CN200.26 CN200.27 CN200.29 CN200.34 CN200.35 CN200.37 CN200.40 CN200.43 CN200.50 CN201.2 CN201.5 CN201.10 D200.1 D201.2 D202.2 D203.2 D300.2 D301.2 D302.2 L413.2 MH1.1 MH2.1 R307.2 R402.1 R405.1 R406.1 R502.1 R506.1 R509.1 SH1.1 U201.5 U300.0 U300.6 U300.9 U300.15 U300.20 U300.24 U300.25 U300.39 U300.46 U300.55 U300.62 U400.0 U400.7 U400.20 U401.6 U402.0 U402.7 U402.20 U403.0 U403.1 U403.6 U403.8 U403.9 U403.11 U403.12 U403.15 U403.19 U403.21 U403.22 U403.27 U403.28 U500.4 U500.7 U501.4 U501.7 U502.4 U502.7 Y400.1 Y400.2 | length 52.9
  Top w0.2: C202.1@-9.48,5.6 -9.48,4.43 -8.601,3.552 -8.377,3.552 v3(-8.3,3.475) ; U300.15@-7.99,23.125 -7.24,23.125 -6.965,23.4 v2(-6.965,23.44) ; U300.9@-7.99,25.225 -7.98,25.215 -7.405,25.215 v2(-6.965,24.775) ; U300.20@-6.62,21.755 -6.62,22.5 -6.345,22.775 v2(-6.3,22.775) ; U300.24@-5.22,21.755 -5.22,22.52 v2(-4.965,22.775) -4.87,22.68 U300.25@-4.87,21.755 ; U300.55@-2.77,28.695 -2.77,27.715 v2(-2.73,27.675) ; v2(-2.065,26.34) -2,26.275 U300.46@-1.05,26.275 ; v3(2,3.5) 2.525,2.975 2.843,2.975 3.05,2.768 3.05,1.7 CN200.21@3.25,1.5 ; v4(2.95,12.975) U403.0@3.075,12.85
  Top w0.25: U403.9@-0.363,9.725 -0.363,10.662 v4(-0.05,10.975)
  Top w0.3: v3(-8.3,3.475) -8.3,3.394 -8.1,3.194 -8.1,1.65 CN200.1@-7.95,1.5 ; CN200.5@-6.2,1.65 -6.2,3.294 -6.075,3.419 v3(-6.075,3.5)
  Top w0.4: U403.0@3.075,12.85 U403.19@4.199,12.85 ; R506.1@7.545,37.7 7.765,37.7 7.895,37.57 v1(8.1,37.57) ; D200.1@10,5.4 v1(10,6.1) ; v1(11.3,6.1) 11.38,6.1 11.98,5.5 C205.1@12,5.5
  Top w0.5: CN200.9@-4.75,1.5 -4.75,3.423 -4.703,3.47 v3(-4.703,3.497) ; CN200.15@-2.35,1.5 -2.35,3.207 -2.057,3.5 v3@-1.3,3.5 ; 5.6,3 5.6,1.55 CN200.27@5.65,1.5 ; v1@6,3.387 v1(6,3.4) ; 6.4,3 6.4,1.55 CN200.29@6.45,1.5 ; 8.8,3 8.8,1.55 CN200.35@8.85,1.5 CN200.35@8.9,1.55 ; v3@9.1,3.398 v3@9.1,3.4 ; v3(9.1,3.425) v3@9.1,3.4 ; v3@9.143,3.403 9.103,3.403 v3@9.1,3.4 ; 9.6,3 9.6,1.55 CN200.37@9.65,1.5 ; CN200.43@12.05,1.5 12.05,3.196 12.695,3.84 12.695,5.075 12.32,5.45 C205.1@12.05,5.45 ; C203.1@17.18,5.5 17.18,5.48 17.641,5.019 17.881,5.019 v3(17.9,5)
  Bottom w0.2: v3(9.1,3.425) 10.033,3.425 10.65,2.807 10.65,1.7 CN200.40@10.85,1.5
  Bottom w0.5: CN200.4@-6.75,1.5 -6.75,3.157 -6.426,3.481 ; v3(2,3.5) 2,3.473 2.05,3.423 CN200.18@2.05,1.5 ; v1(5.2,3.4) 5.25,3.35 CN200.26@5.25,1.5 ; v3(8.3,3.425) 8.3,3.398 8.45,3.248 CN200.34@8.45,1.5 ; CN200.50@14.85,1.5 14.85,4.2